# Altium PCB Giro_scope_2.0.PcbDoc (part 1 of 3)
Units mm, origin at the board's own origin, x right, y up, seen from the top; angles counter-clockwise.
Board outline 210.95 x 111.04 mm, 2 copper layers (Top Layer, Bottom Layer); 287 components, 128 nets, 1216 pads, 138 vias.
Unrouted connection lines stored in the file: 33.
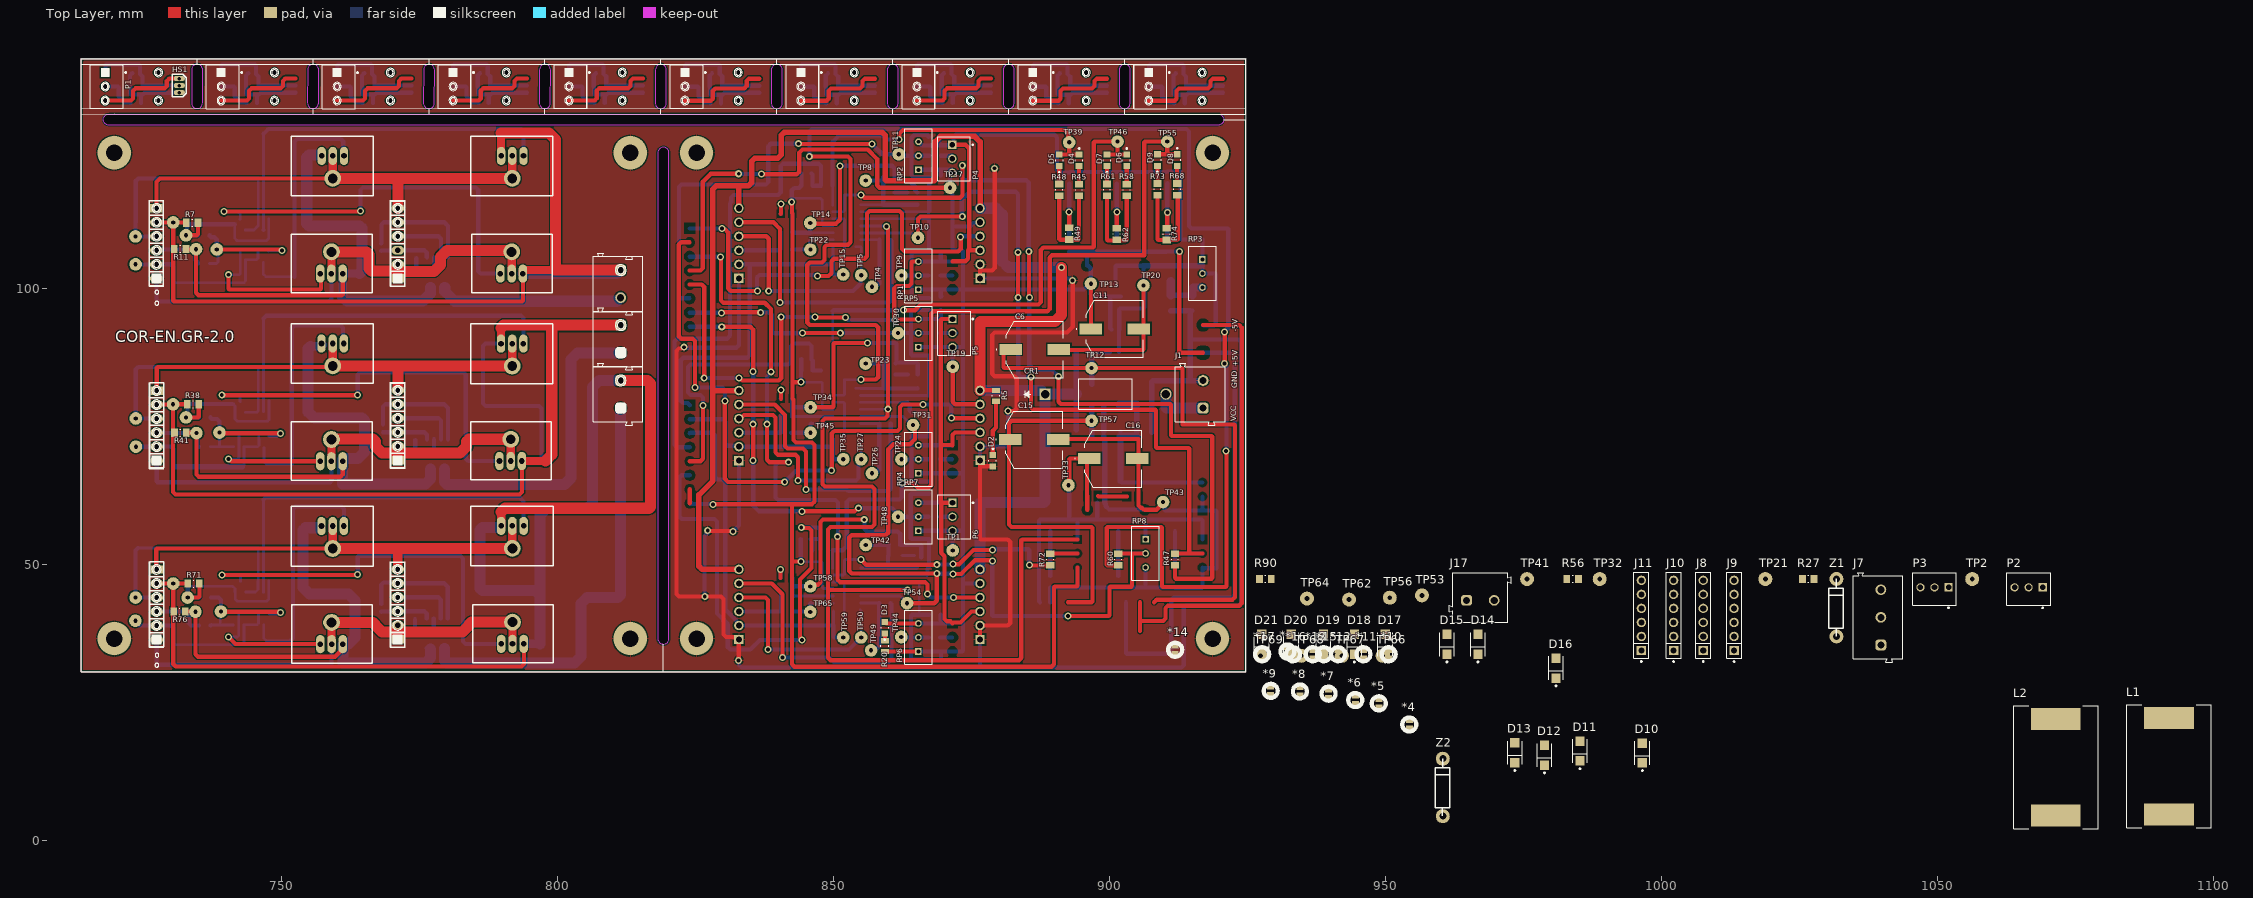
[diagram p0: Top Layer view]
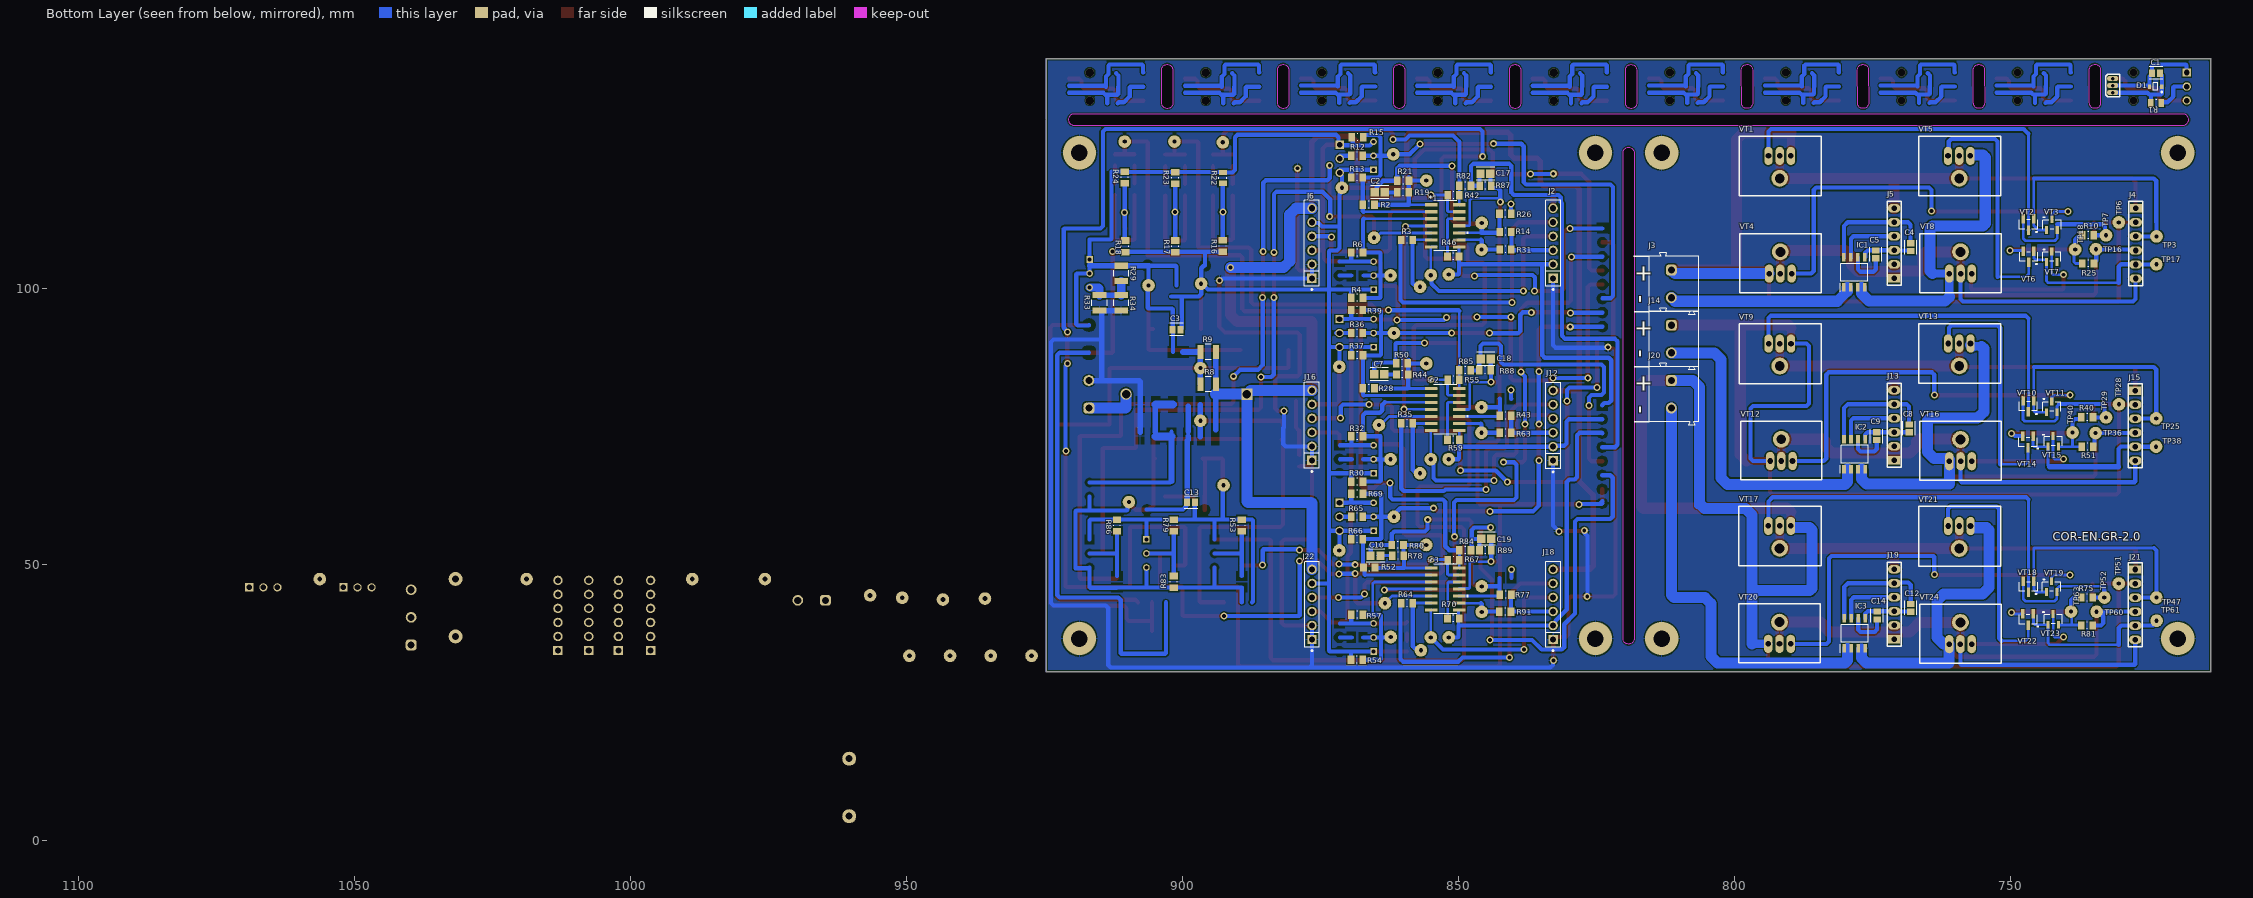
[diagram p1: Bottom Layer view, seen from below]

## Layer stack, top to bottom
Top Solder: solder mask 0.0102, Solder Resist, Dk 3.5
Top Layer: signal copper 0.0356
Dielectric 1: dielectric 0.32, FR-4, Dk 4.8
Bottom Layer: signal copper 0.0356
Bottom Solder: solder mask 0.0102, Solder Resist, Dk 3.5

## Board outline
713.729,30.543 713.729,130.543 cw(c713.736,130.543) 713.734,130.55 cw(c713.736,130.556) 713.736,130.563 713.753,130.563 cw(c713.756,130.569) 713.749,130.569 713.749,141.569 cw(c713.756,141.569) 713.756,141.576 924.673,141.563 cw(c924.673,141.556) 924.68,141.556 924.68,130.569 cw(c924.673,130.569) 924.678,130.564 924.678,30.569 cw(c924.671,30.569) 924.669,30.563 924.669,30.556 cw(c924.663,30.556) 924.66,30.55 924.66,30.543 cw(c924.653,30.543) 924.653,30.536 713.736,30.536 cw(c713.736,30.543)
cut-out: 718.759,129.562 cw(c718.761,130.556) 718.759,131.549 ccw(c718.761,131.556) 718.762,131.549 cw(c718.761,130.665) 718.778,131.549 ccw(c718.778,131.555) 718.78,131.549 919.678,131.55 cw(c919.678,130.556) 920.671,130.556 cw(c919.678,130.556) 919.678,129.563 718.76,129.563 ccw(c718.76,129.556)
cut-out: 901.739,133.56 ccw(c902.738,133.557) 903.738,133.554 903.756,139.557 903.756,139.552 ccw(c902.756,139.557) 901.756,139.557
cut-out: 880.739,133.561 ccw(c881.739,133.559) 882.738,133.556 882.756,139.559 882.756,139.553 ccw(c881.756,139.559) 880.756,139.559
cut-out: 859.739,133.563 ccw(c860.738,133.56) 861.738,133.557 861.756,139.56 861.756,139.554 ccw(c860.756,139.56) 859.756,139.56
cut-out: 838.739,133.564 ccw(c839.739,133.561) 840.738,133.558 840.756,139.561 840.756,139.555 ccw(c839.756,139.561) 838.756,139.561
cut-out: 817.739,133.565 ccw(c818.738,133.562) 819.738,133.56 819.756,139.562 819.756,139.557 ccw(c818.756,139.562) 817.756,139.562
cut-out: 796.739,133.57 ccw(c797.739,133.568) 798.738,133.565 798.756,139.568 798.756,139.562 ccw(c797.756,139.568) 796.756,139.568
cut-out: 775.739,133.568 ccw(c776.738,133.565) 777.738,133.562 777.756,139.565 777.756,139.559 ccw(c776.756,139.565) 775.756,139.565
cut-out: 754.739,133.569 ccw(c755.738,133.566) 756.738,133.563 756.756,139.566 756.756,139.561 ccw(c755.756,139.566) 754.756,139.566
cut-out: 733.739,133.57 ccw(c734.739,133.568) 735.738,133.565 735.756,139.568 735.756,139.562 ccw(c734.756,139.568) 733.756,139.568
cut-out: 818.204,36.563 ccw(c819.204,36.563) 820.204,36.563 820.207,124.563 ccw(c819.207,124.563) 818.207,124.562

## Design rules (kind name [scope] priority, off if disabled: settings)
Clearance [All] p1: gap=0.254 ignorepadtopadclearanceinfootprint=FALSE except(0: Arc-Hole Track-Hole SMDPad-Hole THPad-Hole Via-Hole Fill-Hole Poly-Hole Region-Hole Text-Hole)
ComponentClearance [All] p1: gap=-0.254 collisioncheckmode=3 verticalgap=0.254 showdistances=FALSE
Height [All] p1: minheight=0 maxheight=55.4 prefheight=12.7
PolygonConnect [All] p1: connectstyle=Relief reliefconductorwidth=0.254 reliefentries=4 polygonreliefangle="90 Angle" airgapwidth=0.254
RoomDefinition Giro_scope_2.0 [InComponentClass('Giro_scope_2.0')] p1: confinementstyle=ConfineIn formatcopy=TRUE lockcomponents=FALSE outline 0,0 1144.016,0 1144.016,220.472 0,220.472
RoutingVias [All] p1: holewidth=0.711 width=1.27 viastyle="Through Hole" minholewidth=0.711 minwidth=1.27 maxholewidth=0.711 maxwidth=1.27
SolderMaskExpansion [All] p1: expansion=0.102 istentingtop=FALSE
Width [All] p1: maxlimit=2 minlimit=0.5 preferedwidth=0.762 minimp=50.000000 maximp=50.000000 favimp=50.000000
28 further rules are at their usual default settings.

## Components (designator, comment, footprint, x,y, rotation, side; value= is the part's Value field where it differs from the comment)
* "JE" JE 920.318,34.29 r0 top
*1 "LM324AD_SOIC14" D14-M 852.411,111.328 r180 bottom locked
*2 "LM324AD_SOIC14" D14-M 852.399,78.08 r180 bottom locked
*3 "LM324AD_SOIC14" D14-M 852.399,45.542 r180 bottom locked
*4 "JE" JE 942.391,21.057 r0 top
*5 "JE" JE 936.879,24.892 r0 top
*6 "JE" JE 932.612,25.476 r0 top
*7 "JE" JE 927.76,26.645 r0 top
*8 "JE" JE 922.579,27.051 r0 top
*9 "JE" JE 917.296,27.153 r0 top
*10 "JE" JE 938.657,33.782 r0 top
*11 "JE" JE 934.085,33.782 r0 top
*12 "JE" JE 929.488,33.782 r0 top
*13 "JE" JE 924.916,33.782 r0 top
*14 "JE" JE 899.998,34.595 r0 top
*15 "JE" JE 926.922,33.782 r0 top
*16 "JE" JE 921.334,33.782 r0 top
*17 "JE" JE 915.746,33.782 r0 top
C1 "0.1uF" KEMET_C0805C-DN_IPC_C 723.697,138.963 r180 bottom
C2 "2.2u" KEMET_C0805C-DN_IPC_A 864.274,117.373 r0 bottom
C3 "0.1uF" KEMET_C0805C-DN_IPC_C 901.065,92.532 r180 bottom
C4 "0.47uF" KEMET_C0805C-DN_IPC_C 768.096,107.467 r90 bottom
C5 "0.1uF" KEMET_C0805C-DN_IPC_C 774.446,106.147 r270 bottom
C6 "EEE1HA101AP" EEEFK1V331P 886.46,88.925 r270 top
C7 "2.2u" KEMET_C0805C-DN_IPC_A 864.362,84.404 r0 bottom
C8 "0.47uF" KEMET_C0805C-DN_IPC_C 768.401,74.64 r90 bottom
C9 "0.1uF" KEMET_C0805C-DN_IPC_C 774.268,73.239 r270 bottom
C10 "2.2u" KEMET_C0805C-DN_IPC_A 865.036,51.562 r0 bottom
C11 "EEE1HA101AP" EEEFK1V331P 900.97,92.659 r270 top
C12 "0.47uF" KEMET_C0805C-DN_IPC_C 768.096,42.128 r90 bottom
C13 "0.1uF" KEMET_C0805C-DN_IPC_C 898.449,61.214 r180 bottom
C14 "0.1uF" KEMET_C0805C-DN_IPC_C 774.192,40.752 r270 bottom
C15 "EEE1HA101AP" EEEFK1V331P 886.365,72.593 r270 top
C16 "EEE1HA101AP" EEEFK1V331P 900.684,69.164 r270 top
C17 "100pF" KEMET_C0805C-DN_IPC_A 845.134,120.777 r0 bottom
C18 "100pF" KEMET_C0805C-DN_IPC_A 845.051,87.201 r0 bottom
C19 "100pF" KEMET_C0805C-DN_IPC_A 844.988,54.615 r0 bottom
CR1 "1N5822RL" DO-201AD_STM 888.314,80.848 r0 top
D1 "SZMM3Z5V1ST1G" ONSC-SOD-323-2-477-02_V 723.748,136.525 r0 bottom
D2 "LED2" Wurth_Electronics_0_MFG 878.84,68.783 r270 top
D3 "LED2" Wurth_Electronics_0_MFG 859.307,38.523 r90 top
D4 "LED2" LED_BLUE 894.461,123.173 r270 top
D5 "LED2" Wurth_Electronics_0_MFG 890.905,123.173 r90 top
D6 "LED2" LED_BLUE 903.097,123.173 r270 top
D7 "LED2" Wurth_Electronics_0_MFG 899.541,123.173 r90 top
D8 "LED2" LED_BLUE 912.241,123.232 r270 top
D9 "LED2" Wurth_Electronics_0_MFG 908.685,123.232 r90 top
D10 "Diode_Vishay_SS16-E3-61T_eec" Vishay_SS16-E3-61T_0 996.493,15.85 r90 top
D11 "Diode_Vishay_SS16-E3-61T_eec" Vishay_SS16-E3-61T_0 985.215,16.205 r90 top
D12 "Diode_Vishay_SS16-E3-61T_eec" Vishay_SS16-E3-61T_0 978.764,15.443 r90 top
D13 "Diode_Vishay_SS16-E3-61T_eec" Vishay_SS16-E3-61T_0 973.404,15.887 r90 top
D14 "Diode_Vishay_SS16-E3-61T_eec" Vishay_SS16-E3-61T_0 966.724,35.535 r90 top
D15 "Diode_Vishay_SS16-E3-61T_eec" Vishay_SS16-E3-61T_0 961.111,35.535 r90 top
D16 "Diode_Vishay_SS16-E3-61T_eec" Vishay_SS16-E3-61T_0 980.846,31.203 r90 top
D17 "Diode_Vishay_SS16-E3-61T_eec" Vishay_SS16-E3-61T_0 949.935,35.535 r90 top
D18 "Diode_Vishay_SS16-E3-61T_eec" Vishay_SS16-E3-61T_0 944.347,35.535 r90 top
D19 "Diode_Vishay_SS16-E3-61T_eec" Vishay_SS16-E3-61T_0 938.759,35.535 r90 top
D20 "Diode_Vishay_SS16-E3-61T_eec" Vishay_SS16-E3-61T_0 932.891,35.535 r90 top
D21 "Diode_Vishay_SS16-E3-61T_eec" Vishay_SS16-E3-61T_0 927.557,35.535 r90 top
HS1 "Hall_Sensor" SS495E_Hall_Sensor 732.053,136.728 r90 top
IC1 "ACS712ELCTR-20A-T" ACS712 778.561,103.022 r90 bottom
IC2 "ACS712ELCTR-20A-T" ACS712 778.535,70.079 r90 bottom
IC3 "ACS712ELCTR-20A-T" ACS712 778.51,37.643 r90 bottom
J1 "691103110003" 691101710002 916.44,80.808 r90 top
J2 "61300611121" Wurth_61300611121_0 832.866,108.153 r90 bottom
J3 "691101710002" 691101710002 810.954,100.802 r270 bottom
J4 "61300611121" "2.54_Connector _x6" 727.253,114.732 r270 bottom
J5 "61300611121" "2.54_Connector _x6" 771.246,101.549 r90 bottom
J6 "61300611121" Wurth_61300611121_0 876.554,108.153 r90 bottom
J7 "691101710003" 691101710003 1039.19,40.411 r90 top
J8 "61300611121" Wurth_61300611121_0 1007.516,40.767 r90 top
J9 "61300611121" Wurth_61300611121_0 1013.104,40.767 r90 top
J10 "61300611121" Wurth_61300611121_0 1002.157,40.767 r90 top
J11 "61300611121" Wurth_61300611121_0 996.315,40.767 r90 top
J12 "61300611121" Wurth_61300611121_0 832.866,75.133 r90 bottom
J13 "61300611121" "2.54_Connector _x6" 771.22,68.605 r90 bottom
J14 "691101710002" 691101710002 810.954,90.819 r270 bottom
J15 "61300611121" "2.54_Connector _x6" 727.304,81.737 r270 bottom
J16 "61300611121" Wurth_61300611121_0 876.554,75.184 r90 bottom
J17 "691101710002" 691101710002 967.156,43.993 r0 top
J18 "61300611121" Wurth_61300611121_0 832.866,42.748 r90 bottom
J19 "61300611121" "2.54_Connector _x6" 771.195,36.17 r90 bottom
J20 "691101710002" 691101710002 810.954,80.812 r270 bottom
J21 "61300611121" "2.54_Connector _x6" 727.304,49.327 r270 bottom
J22 "61300611121" Wurth_61300611121_0 876.529,42.748 r90 bottom
L1 "7445720" WE-PD4-XL 1091.87,13.437 r90 top
L2 "7445720" WE-PD4-XL 1071.372,13.259 r90 top
P1 "61900311121" 61900311121 718.403,136.549 r90 top
P2 "61900311121" 61900311121 1066.444,45.542 r0 top
P3 "61900311121" 61900311121 1049.401,45.542 r0 top
P4 "61900311121" 61900311121 871.825,123.469 r90 top
P5 "61900311121" 61900311121 871.855,91.897 r90 top
P6 "61900311121" 61900311121 871.855,58.623 r90 top
R1 "24" Vishay_CRCW0805-e3_IPC_B 723.646,133.553 r180 bottom
R2 "100k" Vishay_CRCW0805-e3_IPC_A 866.267,115.164 r180 bottom
R3 "1M" Vishay_CRCW0805-e3_IPC_A 859.327,108.753 r180 bottom
R4 "47k" Vishay_CRCW0805-e3_IPC_A 868.366,98.273 r0 bottom
R5 "22k" Vishay_CRCW0805-e3_MFG 879.45,80.543 r90 top
R6 "47k" Vishay_CRCW0805-e3_IPC_A 868.359,106.477 r180 bottom
R7 "1k" Vishay_CRCW0805-e3_IPC_A 733.857,111.862 r0 top
R8 "150" RC1210N_PAN 895.35,82.626 r0 bottom
R9 "150" RC1210N_PAN 895.35,88.468 r0 bottom
R10 "1k" Vishay_CRCW0805-e3_IPC_A 735.981,109.626 r0 bottom
R11 "1.2k" Vishay_CRCW0805-e3_IPC_A 731.679,107.137 r0 top
R12 "47k" Vishay_CRCW0805-e3_IPC_A 868.401,124.028 r180 bottom
R13 "47k" Vishay_CRCW0805-e3_IPC_A 868.375,120.066 r0 bottom
R14 "1M" Vishay_CRCW0805-e3_IPC_A 841.483,110.211 r0 bottom
R15 "47k" Vishay_CRCW0805-e3_IPC_A 868.299,127.381 r0 bottom
R16 "10K" Vishay_CRCW0805-e3_IPC_A 892.683,107.68 r90 bottom
R17 "10K" Vishay_CRCW0805-e3_IPC_A 901.319,107.61 r90 bottom
R18 "10K" Vishay_CRCW0805-e3_IPC_A 910.336,107.61 r90 bottom
R19 "620" Vishay_CRCW0805-e3_IPC_A 860.048,117.373 r180 bottom
R20 "5.1k" Vishay_CRCW0805-e3_MFG 859.307,35.204 r270 top
R21 "3.3k" Vishay_CRCW0805-e3_IPC_A 860.032,119.482 r180 bottom
R22 "10K" Vishay_CRCW0805-e3_MFG 892.683,119.999 r90 bottom
R23 "10K" Vishay_CRCW0805-e3_IPC_A 901.319,119.999 r90 bottom
R24 "10K" Vishay_CRCW0805-e3_IPC_A 910.463,120.091 r90 bottom
R25 "1k" Vishay_CRCW0805-e3_IPC_A 735.965,104.496 r0 bottom
R26 "1k" Vishay_CRCW0805-e3_IPC_A 841.518,113.513 r0 bottom
R27 "1M" Vishay_CRCW0805-e3_IPC_A 1026.541,47.371 r0 top
R28 "100k" Vishay_CRCW0805-e3_IPC_A 866.267,81.915 r180 bottom
R29 "100" RC1210N_PAN 911.098,102.692 r270 bottom
R30 "47k" Vishay_CRCW0805-e3_IPC_A 868.366,64.999 r0 bottom
R31 "430k" Vishay_CRCW0805-e3_IPC_A 841.483,107.036 r0 bottom
R32 "47k" Vishay_CRCW0805-e3_IPC_A 868.35,73.228 r180 bottom
R33 "100" RC1210N_PAN 915.035,97.358 r270 bottom
R34 "100" RC1210N_PAN 911.098,97.358 r270 bottom
R35 "1M" Vishay_CRCW0805-e3_IPC_A 859.323,75.54 r180 bottom
R36 "47k" Vishay_CRCW0805-e3_IPC_A 868.401,91.897 r180 bottom
R37 "47k" Vishay_CRCW0805-e3_IPC_A 868.366,87.859 r0 bottom
R38 "1k" Vishay_CRCW0805-e3_IPC_A 734.009,79.019 r0 top
R39 "47k" Vishay_CRCW0805-e3_IPC_A 868.375,96.063 r0 bottom
R40 "1k" Vishay_CRCW0805-e3_IPC_A 736.143,76.657 r0 bottom
R41 "1.2k" Vishay_CRCW0805-e3_IPC_A 731.707,73.863 r0 top
R42 "100k" Vishay_CRCW0805-e3_IPC_A 850.925,116.84 r180 bottom
R43 "1M" Vishay_CRCW0805-e3_IPC_A 841.502,76.911 r0 bottom
R44 "620" Vishay_CRCW0805-e3_IPC_A 860.171,84.404 r180 bottom
R45 "1K" Vishay_CRCW0805-e3_IPC_A 894.461,117.805 r270 top
R46 "18K" Vishay_CRCW0805-e3_IPC_A 850.951,105.766 r180 bottom
R47 "18K" Vishay_CRCW0805-e3_IPC_A 911.86,50.876 r90 top
R48 "1K" Vishay_CRCW0805-e3_IPC_A 890.905,117.84 r270 top
R49 "3.3k" Vishay_CRCW0805-e3_IPC_A 892.683,109.896 r270 top
R50 "3.3k" Vishay_CRCW0805-e3_IPC_A 860.222,86.436 r180 bottom
R51 "1k" Vishay_CRCW0805-e3_IPC_A 736.092,71.298 r0 bottom
R52 "100k" Vishay_CRCW0805-e3_IPC_A 866.165,49.428 r180 bottom
R53 "1k" Vishay_CRCW0805-e3_IPC_A 889.254,57.064 r90 bottom
R54 "47k" Vishay_CRCW0805-e3_IPC_A 868.417,32.741 r0 bottom
R55 "100k" Vishay_CRCW0805-e3_IPC_A 850.925,83.439 r180 bottom
R56 "1M" Vishay_CRCW0805-e3_IPC_A 983.869,47.371 r0 top
R57 "47k" Vishay_CRCW0805-e3_IPC_A 868.366,40.894 r180 bottom
R58 "1K" Vishay_CRCW0805-e3_IPC_A 903.097,117.805 r270 top
R59 "18K" Vishay_CRCW0805-e3_IPC_A 850.941,72.593 r180 bottom
R60 "18K" Vishay_CRCW0805-e3_IPC_A 901.573,50.876 r90 top
R61 "1K" Vishay_CRCW0805-e3_IPC_A 899.541,117.84 r270 top
R62 "3.3k" Vishay_CRCW0805-e3_IPC_A 901.319,109.839 r270 top
R63 "430k" Vishay_CRCW0805-e3_IPC_A 841.502,73.863 r0 bottom
R64 "1M" Vishay_CRCW0805-e3_IPC_A 859.323,42.977 r180 bottom
R65 "47k" Vishay_CRCW0805-e3_IPC_A 868.401,58.649 r180 bottom
R66 "47k" Vishay_CRCW0805-e3_IPC_A 868.375,54.585 r0 bottom
R67 "100k" Vishay_CRCW0805-e3_IPC_A 850.925,50.749 r180 bottom
R68 "1K" Vishay_CRCW0805-e3_IPC_A 912.241,117.932 r270 top
R69 "47k" Vishay_CRCW0805-e3_IPC_A 868.35,62.789 r0 bottom
R70 "18K" Vishay_CRCW0805-e3_IPC_A 850.935,40.208 r180 bottom
R71 "1k" Vishay_CRCW0805-e3_IPC_A 734.111,46.533 r0 top
R72 "18K" Vishay_CRCW0805-e3_IPC_A 889.254,50.876 r90 top
R73 "1K" Vishay_CRCW0805-e3_IPC_A 908.685,117.932 r270 top
R74 "3.3k" Vishay_CRCW0805-e3_IPC_A 910.336,109.804 r270 top
R75 "1k" Vishay_CRCW0805-e3_IPC_A 736.194,43.993 r0 bottom
R76 "1.2k" Vishay_CRCW0805-e3_IPC_A 731.545,41.478 r0 top
R77 "1M" Vishay_CRCW0805-e3_IPC_A 841.461,44.501 r0 bottom
R78 "620" Vishay_CRCW0805-e3_IPC_A 860.949,51.562 r180 bottom
R79 "5.1k" Vishay_CRCW0805-e3_IPC_A 901.573,57.064 r90 bottom
R80 "3.3k" Vishay_CRCW0805-e3_IPC_A 861.025,53.518 r180 bottom
R81 "1k" Vishay_CRCW0805-e3_IPC_A 736.168,38.938 r0 bottom
R82 "51k" Vishay_CRCW0805-e3_IPC_A 848.792,118.567 r0 bottom
R83 "5.1k" Vishay_CRCW0805-e3_IPC_A 901.573,46.847 r270 bottom
R84 "51k" Vishay_CRCW0805-e3_IPC_A 848.795,52.555 r0 bottom
R85 "51k" Vishay_CRCW0805-e3_IPC_A 848.808,85.141 r0 bottom
R86 "1k" Vishay_CRCW0805-e3_IPC_A 911.86,57.064 r90 bottom
R87 "10k" Vishay_CRCW0805-e3_IPC_A 845.134,118.567 r180 bottom
R88 "10k" Vishay_CRCW0805-e3_IPC_A 845.201,85.141 r180 bottom
R89 "10k" Vishay_CRCW0805-e3_IPC_A 845.138,52.555 r180 bottom
R90 "1M" Vishay_CRCW0805-e3_IPC_A 928.218,47.371 r0 top
R91 "430k" Vishay_CRCW0805-e3_IPC_A 841.553,41.453 r0 bottom
RP1 "10k" Bourns_3296W_MFG 865.373,102.311 r0 top
RP2 "10k" Bourns_3296W_MFG 865.398,124.003 r0 top
RP3 "100" Bourns_3296W_MFG 916.813,102.692 r180 top
RP4 "10k" Bourns_3296W_MFG 865.378,69.037 r0 top
RP5 "10k" Bourns_3296W_MFG 865.373,91.897 r0 top
RP6 "10k" Bourns_3296W_MFG 865.373,36.779 r0 top
RP7 "10k" Bourns_3296W_MFG 865.373,58.623 r0 top
RP8 "10k" Bourns_3296W_MFG 906.531,51.984 r180 top
TP1 "Test_Point_PCB" Test_Point#1 871.601,52.527 r0 top
TP2 "Test_Point_PCB" Test_Point#2 1056.234,47.346 r90 top
TP3 "Test_Point_PCB" Test_Point#1 723.595,109.398 r90 bottom
TP4 "Test_Point_PCB" Test_Point#1 856.971,100.279 r0 top
TP5 "Test_Point_PCB" Test_Point#1 855.015,102.387 r0 top
TP6 "Test_Point_PCB" Test_Point#1 730.428,111.938 r180 bottom
TP7 "Test_Point_PCB" Test_Point#1 732.739,109.601 r180 bottom
TP8 "Test_Point_PCB" Test_Point#1 855.828,119.507 r0 top
TP9 "Test_Point_PCB" Test_Point#1 862.305,102.337 r0 top
TP10 "Test_Point_PCB" Test_Point#1 865.302,109.169 r90 top
TP11 "Test_Point_PCB" Test_Point#1 861.822,124.282 r0 top
TP12 "Test_Point_PCB" Test_Point#1 896.747,85.547 r90 top
TP13 "Test_Point_PCB" Test_Point#1 896.62,100.838 r90 top
TP14 "Test_Point_PCB" Test_Point#1 845.795,111.836 r0 top
TP15 "Test_Point_PCB" Test_Point#1 851.764,102.514 r90 top
TP16 "Test_Point_PCB" Test_Point#1 734.568,107.086 r90 bottom
TP17 "Test_Point_PCB" Test_Point#1 723.621,104.343 r90 bottom
TP18 "Test_Point_PCB" Test_Point#1 738.327,107.036 r90 bottom
TP19 "Test_Point_PCB" Test_Point#1 871.601,85.801 r90 top
TP20 "Test_Point_PCB" Test_Point#1 906.145,100.533 r90 top
TP21 "Test_Point_PCB" Test_Point#2 1018.769,47.346 r90 top
TP22 "Test_Point_PCB" Test_Point#1 845.82,107.01 r90 top
TP23 "Test_Point_PCB" Test_Point#1 855.828,86.385 r90 top
TP24 "Test_Point_PCB" Test_Point#1 862.305,69.037 r90 top
TP25 "Test_Point_PCB" Test_Point#1 723.646,76.429 r90 bottom
TP26 "Test_Point_PCB" Test_Point#1 856.971,66.497 r90 top
TP27 "Test_Point_PCB" Test_Point#1 855.015,69.037 r90 top
TP28 "Test_Point_PCB" Test_Point#1 730.402,78.994 r90 bottom
TP29 "Test_Point_PCB" Test_Point#1 732.739,76.632 r90 bottom
TP30 "Test_Point_PCB" Test_Point#1 861.695,91.897 r90 top
TP31 "Test_Point_PCB" Test_Point#1 864.413,75.235 r90 top
TP32 "Test_Point_PCB" Test_Point#2 988.771,47.346 r90 top
TP33 "Test_Point_PCB" Test_Point#1 892.556,64.338 r90 top
TP34 "Test_Point_PCB" Test_Point#1 845.845,78.461 r90 top
TP35 "Test_Point_PCB" Test_Point#1 851.789,69.063 r90 top
TP36 "Test_Point_PCB" Test_Point#1 734.619,73.787 r90 bottom
TP37 "Test_Point_PCB" Test_Point#1 871.118,118.212 r90 top
TP38 "Test_Point_PCB" Test_Point#1 723.671,71.323 r90 bottom
TP39 "Test_Point_PCB" Test_Point#1 892.683,126.441 r90 top
TP40 "Test_Point_PCB" Test_Point#1 738.784,73.889 r90 bottom
TP41 "Test_Point_PCB" Test_Point#2 975.614,47.346 r90 top
TP42 "Test_Point_PCB" Test_Point#1 855.853,53.518 r90 top
TP43 "Test_Point_PCB" Test_Point#1 909.701,61.29 r90 top
TP44 "Test_Point_PCB" Test_Point#1 862.279,36.855 r90 top
TP45 "Test_Point_PCB" Test_Point#1 845.845,73.863 r90 top